# Altium PCB Copy of foxbms2-master.PcbDoc (part 4 of 11) (continued)
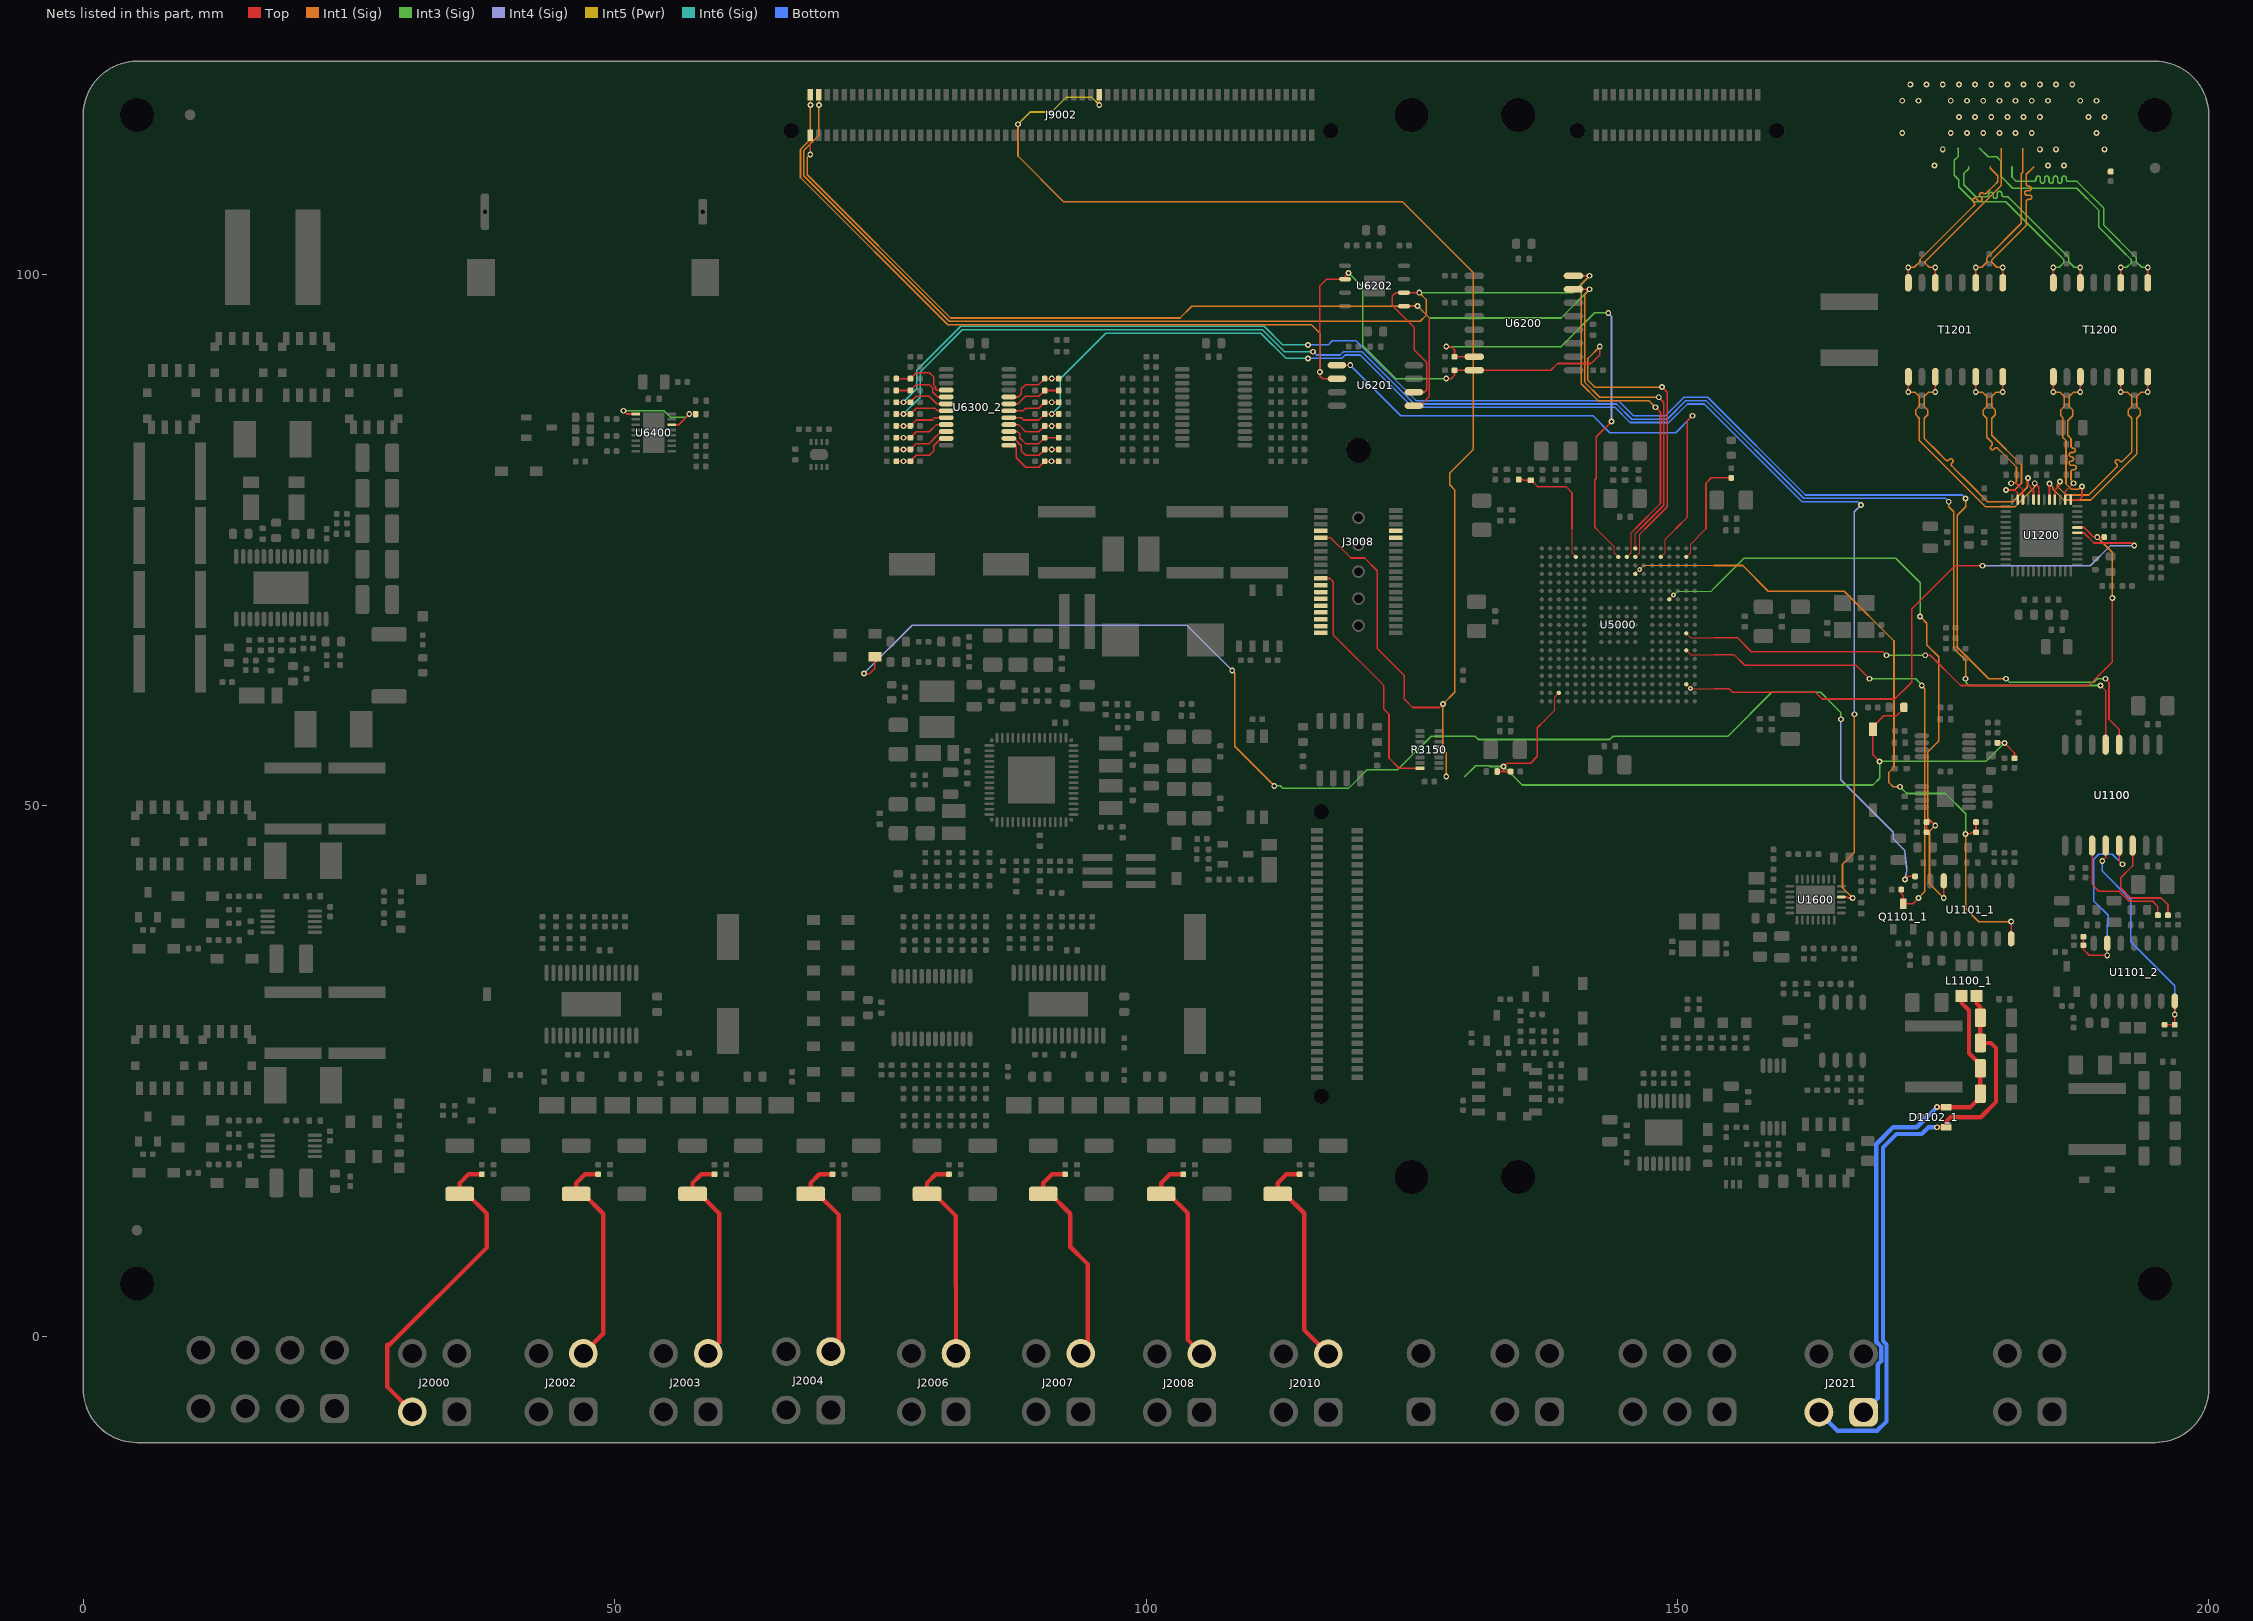
[diagram p10: the nets of this part, all layers, seen from the top]
## Part data (continued)
U7100: "55-V wide VIN synchronous 4-switch buck-boost controller", Manufacturer="Texas Instruments", Operating Temperature="−40°C - +125°C", PnP Package=HTSSOP-28, Supplier Part Number 1=595-LM5176QPWPRQ1, Automotive Qualified=True, ComponentLink1Description=Datasheet, ComponentLink1URL=http://www.ti.com/lit/ds/symlink/lm5176-q1.pdf, Part Name=LM5176QPWPRQ1, Part Number=LM5176QPWPRQ1, Supplier 1=Mouser
U7200: "Fail-safe system basis chip with multiple SMPS and LDO", Manufacturer=NXP, Operating Temperature="−40°C - +125°C", PnP Package=HPQFN-56, Supplier Part Number 1=771-MC33FS8530A0ES, AEC-Q Grade="Grade 1", AEC-Q Norm=AEC-Q100, Automotive Qualified=True, ECCN=EAR99, Part Name=MC33FS8530A0ES, Part Number=MC33FS8530A0ES, Supplier 1=Mouser, Supplier 2=Digikey, Supplier Part Number 2=568-MC33FS8530A0ES-ND
U7300_1 U7300_2: "Low Quiescent Current Surge Stopper", Manufacturer="Analog Devices", Operating Temperature="−40°C - +125°C", Supplier Part Number 1=LTC4380HMS-4#PBF-ND, Automotive Qualified=False, ComponentLink1Description=Datasheet, ComponentLink1URL=https://www.analog.com/media/en/technical-documentation/data-sheets/LTC4380.pdf, Part Name=LTC4380HMS-4#PBF, Part Number=LTC4380HMS-4#PBF, Supplier 1=Digikey
U8000: "1000-mΩ Dual-Channel SmartHigh-Side Power Switch", Manufacturer="Texas Instruments", Operating Temperature="−40°C - +125°C", Supplier Part Number 1=595-TPS2H000BQPWPRQ1, AEC-Q Grade="Grade 1", AEC-Q Norm=AEC-Q100, Automotive Qualified=True, ComponentLink1Description=Datasheet, ComponentLink1URL=http://www.ti.com/lit/ds/symlink/tps2h000-q1.pdf, ECCN=EAR99, Part Name=TPS2H000BQPWPRQ1, Part Number=TPS2H000BQPWPRQ1, Supplier 1=Mouser, Supplier 2=Digikey, Supplier 3=Farnell, Supplier Part Number 2=296-45179-1-ND, Supplier Part Number 3=3124090
U8001: "Automotive, Wide Common-Mode Range, High- and Low-Side, Bidirectional, Zero-Drift, Current-Sense Amplifier With Enhanced PWM Rejection", Current - Input Bias=1nA, Current - Output / Channel=65mA, Current - Supply=2mA, Manufacturer="Texas Instruments", Operating Temperature="−40°C - +125°C", Package / Case="8-TSSOP,8-MSOP(0.118\",3.00mmWidth)", Package Description="8-Pin Mini Small Outline Package, Body 3 x 3 mm, Pitch 0.65 mm", Package Reference=RM-8, Package Version=10/2009, Standard Package=50, Supplier Device Package=8-MSOP, Supplier Part Number 1=595-INA240A1QPWRQ1, Voltage - Input Offset=60µV, Voltage - Supply, Single/Dual (±)=5V~36V,±2.5V~18V, -3db Bandwidth=10MHz, AEC-Q Grade="Grade 1", AEC-Q Norm=AEC-Q100, Amplifier Type=Instrumentation, Automotive Qualified=True, Category=IntegratedCircuits(ICs), ComponentLink1Description=Datasheet, ComponentLink1URL=http://www.ti.com/lit/ds/symlink/ina240-q1.pdf, Datasheet URL=http://www.analog.com/media/en/technical-documentation/data-sheets/AD8421.pdf, Datasheet Version="Rev. 0, 05/2012", ECCN=EAR99, EDA / CAD Models=DownloadfromAcceleratedDesigns, Family=Linear-Amplifiers-Instrumentation,OPAmps,BufferAmps, Featured Product=AD8421InstrumentationAmplifier, Gain Bandwidth Product=-, Manufacturer URL=http://www.analog.com/, Mfg Application Notes=WaterAnalysisSolutionforpH&ConductivityMeters, Mounting Technology=SurfaceMount, Mounting Type=SurfaceMount, Number of Circuits=1, Online Catalog=Instrumentation, Output Type=-, Package URL=http://www.analog.com/static/imported-files/packages/PKG_PDF/MSOP%28RM%29/RM_8.pdf, Packaging=Tube, Part Name=INA240A1QPWRQ1, Part Number=INA240A1QPWRQ1, Product Training Modules=CommonPhotodiodeOp-AmpCircuitProblemsandSolutionsIndirectCurrentFeedbackInstrumentationAmplifierApplicationsGuide, Series=-, Slew Rate=35V/µs, Supplier 1=Mouser, Supplier 2=Digikey, Supplier Part Number 2=296-50472-1-ND
U8002: "Automotive Dual Comparators", Manufacturer="Texas Instruments", Operating Temperature="−40°C - +125°C", Supplier Part Number 1=595-LM2903QDRQ1, AEC-Q Grade="Grade 1", AEC-Q Norm=AEC-Q100, Automotive Qualified=True, ComponentLink1Description=Datasheet, ComponentLink1URL=http://www.ti.com/lit/ds/symlink/lm2903-q1.pdf, ECCN=EAR99, Part Name=LM2903QDRQ1, Part Number=LM2903QDRQ1, Supplier 1=Mouser, Supplier 2=Digikey, Supplier Part Number 2=296-15183-1-ND
Y6100: "Automotive AEC-Q100 Oscillator 20MHz", Manufacturer=SiTime, Operating Temperature="-55°C - +125°C", AEC-Q Grade="Grade 0", AEC-Q Norm=AEC-Q100, Automotive Qualified=True, ComponentLink1Description=Datasheet, ComponentLink1URL=https://www.sitime.com/datasheet/SiT8924, ECCN=EAR99, Part Name=SiT8924BAT31-33N-20.000000, Part Number=SiT8924BAT31-33N-20.000000
Y6101: "Automotive AEC-Q100 Oscillator 25MHz", Manufacturer=SiTime, Operating Temperature="-55°C - +125°C", AEC-Q Grade="Grade 0", AEC-Q Norm=AEC-Q100, Automotive Qualified=True, ComponentLink1Description=Datasheet, ComponentLink1URL=https://www.sitime.com/datasheet/SiT8924, ECCN=EAR99, Part Name=SiT8924BAT31-33N-25.000000, Part Number=SiT8924BAT31-33N-25.000000

## Via types
v1: diameter 0.55, hole 0.3, Top to Bottom, 1559 vias
v2: diameter 0.55, hole 0.3, Top to Bottom, tented both sides, 810 vias
v3: diameter 0.45, hole 0.2, Top to Bottom, tented both sides, 169 vias
v4: diameter 0.45, hole 0.2, Top to Bottom, 25 vias
v5: diameter 0.5, hole 0.2, Top to Bottom, 20 vias
v6: diameter 0.75, hole 0.5, Top to Bottom, tented both sides, 17 vias
v7: diameter 0.75, hole 0.5, Top to Bottom, 9 vias

## Nets (pads, with @x,y where several pads share a name; then routed paths per layer and width w, separated by ;. In a path a pad name is that pad's centre, name@x,y a point inside that pad or via, vN(x,y) a via of type N, cw(c..) or ccw(c..) an arc to the next point about the centre after c; other vN are vias at no path point)
\CAN2.STB_iso_3: R1104_2.1 R1117_2.2 U1100.12 U1101_2.14 | length 22
  Top w0.152: v1(190.024,44.767) 190.341,45.085 U1100.12@190.341,46.209 ; R1104_2.1@195.897,29.342 196.473,29.342 R1117_2.2@196.85,29.343 v1(196.85,30.321) U1101_2.14@196.85,31.565
  Bottom w0.152: v1(190.024,44.767) 190.024,43.815 192.722,41.116 192.722,37.148 196.85,33.02 v1(196.85,30.321)
\DBG_RESET_1: C3000.2 D6601.1 J3008.9 J9002.69 R3004.1 R6601.1 R6603.2 S6600.2 U5000.B17 | length 209.8
  Top w0.102: 137.477,57.944 138.463,58.929 138.463,60.193 U5000.B17@138.863,60.593
  Top w0.152: v1(95.6,115.947) J9002.69@95.6,116.9 ; J3008.9@116.47,75.2 117.373,75.2 119.293,73.28 120.571,73.28 121.761,72.09 121.761,64.77 124.301,62.23 124.301,60.008 125.095,59.214 127.635,59.214 v1(127.953,59.531) ; C3000.2@133.066,53.181 133.667,53.181 ; R3004.1@134.329,53.181 133.667,53.181 ; 137.477,57.944 136.843,57.309 136.843,54.61 136.207,53.975 133.985,53.975 v2(133.667,53.657) 133.667,53.181 ; v2(169.069,54.134) 168.434,54.769 168.434,57.405 169.449,58.42 170.663,58.42 171.356,59.114 D6601.1@171.356,59.214 ; R6603.2@180.155,55.88 v2(180.816,55.88) 181.769,54.927 R6601.1@181.769,54.425
  Int3 (Sig) w0.152: 130.016,52.705 131.049,53.738 132.303,53.738 132.384,53.657 v2(133.667,53.657) 135.414,51.911 168.434,51.911 169.069,52.546 v2(169.069,54.134) 179.07,54.134 v2(180.816,55.88)
  Int1 (Sig) w0.152: v1(87.939,114.12) 87.947,114.112 87.947,111.125 92.234,106.839 124.142,106.839 130.81,100.171 130.81,83.502 128.588,81.28 128.588,80.169 129.064,79.692 129.064,60.642 v1(127.953,59.531) 127.953,55.255 128.27,54.937 v1(128.27,52.705)
  Int5 (Pwr) w0.152: v1(87.939,114.12) 89.096,115.276 91.099,115.276 92.504,116.681 94.866,116.681 v1(95.6,115.947)
\TRST_13: J3008.21 R3150.16 | length 23.4
  Top w0.152: J3008.21@116.47,71.36 117.316,71.36 117.634,71.042 117.634,66.04 122.396,61.277 122.396,59.055 122.872,58.579 122.872,54.451 123.829,53.495 R3150.16@125.783,53.495
A_10_N: T1200.3 U1200.2 | length 15.1
  Top w0.152: U1200.2@186.559,78.781 186.559,79.561 v2(187.325,80.328) ; v2(187.96,88.9) T1200.3@187.96,90.349
  Int1 (Sig) w0.152: v2(187.325,80.328) 187.325,80.37 187.079,80.616 187.079,80.912 187.079,81.394 cw(c187.283,81.394) 187.283,81.598 187.37,81.598 ccw(c187.37,81.801) 187.37,82.004 187.117,82.004 cw(c187.117,82.207) 187.117,82.41 ccw(c187.117,82.614) 187.117,82.817 cw(c187.117,83.02) 187.117,83.223 187.283,83.223 ccw(c187.283,83.426) 187.283,83.63 cw(c187.283,83.833) 187.079,83.833 187.079,84.181 187.079,84.526 186.771,84.834 186.771,86.206 187.244,86.679 187.244,87.225 186.925,87.544 186.925,88.5 187.325,88.9 v2(187.96,88.9)
A_10_P: T1200.1 U1200.1 | length 15.2
  Top w0.152: v2(185.42,88.9) T1200.1@185.42,90.349 ; U1200.1@187.059,78.781 187.842,78.781 188.119,79.057 v2(188.119,80.01)
  Int1 (Sig) w0.152: v2(185.42,88.9) 186.055,88.9 186.455,88.5 186.455,87.544 186.136,87.225 186.136,86.679 186.301,86.514 186.301,84.64 186.609,84.331 186.609,80.259 187.095,79.773 187.823,79.773 188.06,80.01 v2(188.119,80.01)
ADREFHI: C5015.2 FB5002.2 U5000.V15 | length 11.7
  Top w0.102: 140.11,76.041 140.11,73.745 U5000.V15@140.463,73.392
  Top w0.152: FB5002.2@135.096,80.671 135.473,80.671 135.533,80.611 C5015.2@136.207,80.611 136.257,80.611 136.859,80.01 139.541,80.01 140.11,79.441 140.11,76.041
B_10_N: T1200.8 U1200.5 | length 20.7
  Top w0.152: v2(185.059,80.284) U1200.5@185.059,78.781 U1200.5@185.102,78.825 ; v2(194.31,88.9) T1200.8@194.31,90.349
  Int1 (Sig) w0.152: v2(185.059,80.284) v2(185.059,80.284) 185.349,79.996 185.349,79.816 186.418,78.746 188.948,78.746 193.275,83.073 193.275,86.446 193.594,86.765 193.594,87.225 193.275,87.544 193.275,88.5 193.675,88.9 v2(194.31,88.9)
B_10_P: T1200.6 U1200.4 | length 20.3
  Top w0.152: U1200.4@185.559,78.781 185.559,79.673 186.055,80.169 v2(186.055,80.486) ; v2(191.77,88.9) T1200.6@191.77,90.349
  Int1 (Sig) w0.152: v2(186.055,80.486) 186.055,80.435 185.819,80.198 185.819,80.011 186.613,79.216 188.754,79.216 190.782,81.244 191.384,81.847 ccw(c191.24,81.99) 191.384,82.134 191.312,82.206 cw(c191.456,82.349) 191.312,82.493 cw(c191.456,82.349) 191.6,82.493 191.671,82.421 ccw(c191.815,82.565) 191.959,82.421 192.3,82.763 192.805,83.268 192.805,86.446 192.486,86.765 192.486,87.225 192.805,87.544 192.805,88.5 192.405,88.9 v2(191.77,88.9)
BBS: C6403.2 U6400.1 U6400.14 | length 10.5
  Top w0.152: v2(50.8,87.154) 51.114,86.84 U6400.1@51.968,86.84 ; U6400.14@55.348,85.84 55.995,85.84 v2(56.991,86.836) C6403.2@57.592,86.836
  Int3 (Sig) w0.152: v2(50.8,87.154) 54.61,87.154 55.245,86.519 56.674,86.519 v2(56.991,86.836)
C_10_N: T1201.3 U1200.8 | length 23.3
  Top w0.152: v2(174.308,88.9) T1201.3@174.308,90.349 ; v2(183.039,80.804) 183.039,80.169 183.559,79.649 U1200.8@183.559,78.781
  Int1 (Sig) w0.152: v2(174.308,88.9) 173.672,88.9 173.272,88.5 173.272,87.544 173.592,87.225 173.592,86.765 173.272,86.446 173.272,84.538 173.709,84.101 173.832,83.978 174.154,83.656 175.297,82.513 ccw(c175.44,82.657) 175.584,82.513 175.636,82.566 cw(c175.78,82.422) 175.924,82.566 cw(c175.78,82.422) 175.924,82.278 175.871,82.226 ccw(c176.015,82.082) 175.871,81.939 176.213,81.597 177.548,80.262 179.229,78.581 181.61,78.581 182.963,79.934 182.963,80.728 v2(183.039,80.804)
C_10_P: T1201.1 U1200.7 | length 23.4
  Top w0.152: v2(171.767,88.9) T1201.1@171.767,90.349 ; v2(183.674,80.328) 184.059,79.942 U1200.7@184.059,78.781
  Int1 (Sig) w0.152: v2(171.767,88.9) 172.403,88.9 172.803,88.5 172.803,87.544 172.483,87.225 172.483,86.765 172.803,86.446 172.803,84.343 173.376,83.769 173.5,83.645 177.215,79.93 179.034,78.111 181.805,78.111 183.644,79.951 183.644,80.298 v2(183.674,80.328)
CAN1.H_1: D1102_1.1 J2021.2 L1100_1.4 R1110_1.2 R1111_1.2 | length 57.4
  Top w0.406: v1(174.466,19.685) 174.469,19.687 D1102_1.1@175.349,19.687 175.349,20.25 175.736,20.637 178.594,20.637 180.022,22.066 180.022,27.146 179.546,27.622 R1111_1.2@178.548,27.622 R1110_1.2@178.548,30.004 178.548,31.002 178.182,31.368 L1100_1.4@178.182,32.051
  Bottom w0.406: J2021.2@163.354,-7.144 165.1,-8.89 168.831,-8.89 169.717,-8.004 169.717,-0.748 169.386,-0.418 169.386,17.78 170.656,19.05 173.037,19.05 173.672,19.685 v1(174.466,19.685)
CAN1.L_1: D1102_1.2 J2021.1 L1100_1.1 R1112_1.2 R1113_1.2 | length 48
  Top w0.406: v1(174.466,21.59) 174.745,21.59 174.747,21.587 D1102_1.2@175.349,21.587 177.625,21.587 178.548,22.51 R1113_1.2@178.548,22.86 R1112_1.2@178.548,25.241 178.548,25.591 177.482,26.656 177.482,30.7 176.782,31.4 L1100_1.1@176.782,32.051
  Bottom w0.406: J2021.1@167.554,-7.144 168.878,-5.819 168.878,-2.659 169.209,-2.329 169.209,-0.958 168.751,-0.501 168.751,18.098 170.339,19.685 172.561,19.685 v1(174.466,21.59)
CAN2.EN_iso_3: R1103_2.1 R1109_2.2 U1100.13 U1101_2.6 | length 19.6
  Top w0.152: R1103_2.1@188.251,37.624 188.251,37.207 188.251,36.424 188.798,35.877 v1(190.5,35.877) U1101_2.6@190.5,37.015 ; U1100.13@191.611,46.209 191.611,44.767 v1(191.929,44.45)
  Bottom w0.152: v1(190.5,35.877) 190.5,38.706 190.578,38.784 190.578,39.639 189.23,40.987 189.23,44.926 189.706,45.402 190.976,45.402 v1(191.929,44.45)
CAN2.RX_iso_3: R1108_2.1 U1100.11 | length 11.5
  Top w0.152: U1100.11@189.071,46.209 189.071,42.545 189.706,41.91 191.611,41.91 192.564,40.957 194.786,40.957 195.262,40.481 R1108_2.1@195.262,39.661
CAN2.TX_iso_3: R1107_2.1 U1100.14 | length 10.5
  Top w0.152: U1100.14@192.881,46.209 192.881,44.291 191.77,43.18 191.77,42.227 192.722,41.275 195.58,41.275 196.215,40.64 R1107_2.1@196.215,39.661
COM_IO.\ETH_INT_1: R1222.1 U1200.44 U5000.J2 | length 58.3
  Top w0.102: U5000.J2@150.862,66.192 151.262,65.792 153.511,65.792
  Top w0.152: 153.511,65.792 155.651,65.792 156.991,64.453 169.386,64.453 v1(169.704,64.135) ; v1(173.355,64.135) 173.831,64.135 176.689,61.277 188.754,61.277 190.976,63.5 v2(190.976,69.532) ; U1200.44@187.684,76.156 188.321,76.156 189.23,75.248 v2(189.557,75.248) R1222.1@190.209,75.248
  Int3 (Sig) w0.152: v1(169.704,64.135) v1(173.355,64.135)
  Int1 (Sig) w0.152: v2(189.557,75.248) 190.976,73.829 v2(190.976,69.532)
COM_IO.\ETH_RESET_1: U1200.43 U5000.C2 | length 58.6
  Top w0.102: U5000.C2@150.862,61.392 v4(151.263,60.991) 153.511,60.991
  Top w0.152: 153.511,60.991 154.859,60.991 155.188,60.663 163.016,60.663 163.671,60.008 170.494,60.008 172.085,61.598 172.085,68.475 176.159,72.549 v1(178.752,72.549) ; U1200.43@187.684,75.656 188.285,75.656 189.248,74.693 192.801,74.693 v1(193.04,74.454)
  Int4 (Sig) w0.152: v1@178.772,72.568 v1(178.752,72.549) 188.889,72.549 190.794,74.454 v1(193.04,74.454)
COM_IO.CAN1_EN_1: R1103_1.1 R1109_1.2 U1101_1.6 U5000.N4 | length 61.6
  Top w0.102: U5000.N4@149.263,69.393 149.564,69.694 v4(149.66,69.789)
  Top w0.152: R1103_1.1@173.487,47.466 173.487,48.042 R1109_1.2@173.488,48.419 173.99,48.419 v1(174.308,48.101) ; v1(175.101,41.275) U1101_1.6@175.101,42.889
  Int3 (Sig) w0.102: v4(149.66,69.789) 150.04,70.17 153.196,70.17 153.511,70.485
  Int3 (Sig) w0.152: 153.511,70.485 156.289,73.263 170.571,73.263 172.879,70.956 v1(172.879,67.786)
  Int1 (Sig) w0.152: v1(172.879,67.786) 173.514,67.151 173.514,65.087 174.625,63.976 174.625,56.049 173.581,55.005 173.581,48.828 v1(174.308,48.101) 173.762,47.556 173.762,42.614 v1(175.101,41.275)
COM_IO.CAN1_STB_1: R1104_1.1 R1117_1.2 U1101_1.14 U5000.T8 | length 66.9
  Top w0.102: U5000.T8@146.063,71.792 146.364,72.094 146.372,72.094 v4(146.473,72.194)
  Top w0.152: v1(177.165,47.307) 177.608,47.307 177.767,47.466 R1104_1.1@178.144,47.466 178.144,47.843 R1117_1.2@178.144,48.419 ; U1101_1.14@181.451,37.439 v1(181.451,39.052)
  Int3 (Sig) w0.152: v1(170.974,51.752) 171.608,51.118 175.26,51.118 177.165,49.213 v1(177.165,47.307)
  Int1 (Sig) w0.102: v4(146.473,72.194) 146.863,72.584 153.511,72.584
  Int1 (Sig) w0.152: 153.511,72.584 156.175,72.584 158.591,70.168 165.735,70.168 170.423,65.479 170.423,53.573 169.943,53.093 169.943,52.148 170.339,51.752 v1(170.974,51.752) ; v1(177.165,47.307) 177.165,40.286 178.398,39.052 v1@181.451,39.052
COM_IO.CAN_FAULT_1: Q1101_1.D R1114_1.2 U5000.G2 | length 47
  Top w0.102: U5000.G2@150.862,64.592 151.262,64.193 153.511,64.193
  Top w0.152: 153.511,64.193 155.359,64.193 156.369,63.182 166.846,63.182 v1(168.116,61.912) ; R1114_1.2@171.106,42.069 171.106,41.692 171.291,41.507 Q1101_1.D@171.291,40.729 172.174,40.729 v1(172.72,41.275)
  Int3 (Sig) w0.152: v1(168.116,61.912) 172.455,61.912 173.037,61.33 v1(173.037,61.277)
  Int1 (Sig) w0.152: v1(172.72,41.275) 173.327,41.882 173.327,60.988 v1(173.037,61.277)
COM_IO.COM_IO_PE.IO0_0_1: R6302_2.1 R6320_2.2 U6300_2.4 | length 6.2
  Top w0.152: R6320_2.2@76.491,90.17 R6302_2.1@77.814,90.17 78.368,90.724 79.605,90.724 80.01,90.319 80.01,89.567 80.183,89.394 80.183,89.186 80.273,89.096 U6300_2.4@81.188,89.096
COM_IO.COM_IO_PE.IO0_1_1: R6303_2.1 R6321_2.2 U6300_2.5 | length 5.6
  Top w0.152: R6321_2.2@76.491,89.059 R6303_2.1@77.814,89.059 78.368,89.613 79.605,89.613 79.929,89.288 79.929,88.903 80.386,88.446 U6300_2.5@81.188,88.446
COM_IO.COM_IO_PE.IO0_2_1: R6304_2.1 R6322_2.2 U1100.4 U6300_2.6 | length 154.2
  Top w0.152: R6322_2.2@76.491,87.947 v2(77.153,87.947) R6304_2.1@77.814,87.947 78.368,88.502 79.605,88.502 80.31,87.796 U6300_2.6@81.188,87.796 ; v1(190.341,61.912) 190.659,61.595 190.659,58.102 191.611,57.15 U1100.4@191.611,55.709
  Int3 (Sig) w0.152: v1(180.975,61.912) 181.292,61.595 189.23,61.595 189.547,61.912 v1(190.341,61.912)
  Int1 (Sig) w0.152: v1(177.165,78.899) 177.165,78.105 176.371,77.311 176.371,68.744 176.371,68.602 176.371,64.891 179.35,61.912 v1(180.975,61.912)
  Int6 (Sig) w0.152: v2(77.153,87.947) 78.422,89.217 78.422,90.964 82.55,95.091 111.125,95.091 112.871,93.345 v1(115.252,93.345)
  Bottom w0.152: v1(115.252,93.345) 117.148,93.345 117.543,93.741 119.778,93.741 125.412,88.106 144.463,88.106 145.891,86.677 148.907,86.677 150.654,88.424 152.876,88.424 162.084,79.216 176.847,79.216 v1(177.165,78.899)
COM_IO.COM_IO_PE.IO0_3_1: R6305_2.1 R6323_2.2 U1100.5 U6300_2.7 | length 152.9
  Top w0.152: R6323_2.2@76.491,86.836 v2(77.153,86.836) R6305_2.1@77.814,86.836 78.368,87.391 80.142,87.391 80.386,87.146 U6300_2.7@81.188,87.146 ; v1(189.865,61.277) 190.341,60.801 U1100.5@190.341,55.709
  Int3 (Sig) w0.152: v1@177.21,61.868 v1(177.165,61.912) 177.165,61.595 177.482,61.277 v1(189.865,61.277)
  Int1 (Sig) w0.152: v1(175.577,78.581) 175.577,78.105 176.054,77.629 176.054,64.77 177.165,63.659 v1(177.165,61.912)
  Int6 (Sig) w0.152: v2(77.153,86.836) 78.74,88.424 78.74,90.805 82.709,94.774 110.966,94.774 113.03,92.71 v1(115.729,92.71)
  Bottom w0.152: v1(115.729,92.71) 116.046,92.392 118.269,92.392 118.586,92.71 120.332,92.71 125.254,87.789 144.304,87.789 145.732,86.36 149.066,86.36 150.812,88.106 152.718,88.106 161.925,78.899 175.26,78.899 v1(175.577,78.581)
COM_IO.COM_IO_PE.IO0_4_1: R6306_2.1 R6324_2.2 U6300_2.8 | length 5
  Top w0.152: R6324_2.2@76.491,85.725 v2(77.153,85.725) R6306_2.1@77.814,85.725 78.368,86.279 79.894,86.279 80.111,86.496 U6300_2.8@81.188,86.496
COM_IO.COM_IO_PE.IO0_5_1: R6307_2.1 R6325_2.2 U6300_2.9 | length 5.2
  Top w0.152: R6325_2.2@76.491,84.614 v2(77.153,84.614) R6307_2.1@77.814,84.614 78.368,85.168 79.602,85.168 80.28,85.846 U6300_2.9@81.188,85.846
COM_IO.COM_IO_PE.IO0_6_1: R6308_2.1 R6326_2.2 U6300_2.10 | length 5.4
  Top w0.152: R6326_2.2@76.491,83.502 v2(77.153,83.502) R6308_2.1@77.814,83.502 78.368,84.057 79.602,84.057 79.929,84.384 79.929,84.413 80.713,85.196 U6300_2.10@81.188,85.196
COM_IO.COM_IO_PE.IO0_7_1: R6309_2.1 R6327_2.2 U6300_2.11 | length 5.9
  Top w0.152: R6327_2.2@76.491,82.391 v2(77.153,82.391) R6309_2.1@77.814,82.391 78.368,82.946 79.602,82.946 80.01,83.353 80.01,83.844 80.713,84.546 U6300_2.11@81.188,84.546
COM_IO.COM_IO_PE.IO1_0_1: R6310_2.1 R6328_2.2 U6300_2.13 | length 6.3
  Top w0.152: U6300_2.13@87.088,83.896 87.563,83.896 87.793,83.665 87.793,82.714 88.67,81.837 89.907,81.837 R6310_2.1@90.461,82.391 v2(91.109,82.391) R6328_2.2@91.757,82.391
COM_IO.COM_IO_PE.IO1_1_1: R6311_2.1 R6329_2.2 U6300_2.14 | length 6.1
  Top w0.152: U6300_2.14@87.088,84.546 87.563,84.546 88.265,83.844 88.265,83.353 88.67,82.948 89.907,82.948 R6311_2.1@90.461,83.502 v2(91.123,83.502) R6329_2.2@91.784,83.502 R6329_2.2@91.963,83.502
COM_IO.COM_IO_PE.IO1_2_1: R6312_2.1 R6330_2.2 U6300_2.15 | length 5.6
  Top w0.152: U6300_2.15@87.088,85.196 87.889,85.196 88.106,84.979 88.106,84.614 88.661,84.059 89.907,84.059 R6312_2.1@90.461,84.614 R6330_2.2@91.784,84.614
COM_IO.COM_IO_PE.IO1_3_1: R6313_2.1 R6331_2.2 U6300_2.16 | length 5.2
  Top w0.152: U6300_2.16@87.088,85.846 87.985,85.846 88.661,85.171 89.907,85.171 R6313_2.1@90.461,85.725 v2(91.123,85.725) R6331_2.2@91.784,85.725
COM_IO.COM_IO_PE.IO1_4_1: R6314_2.1 R6332_2.2 U1600.26 U6300_2.17 | length 133.5
  Top w0.152: U6300_2.17@87.088,86.496 88.243,86.496 88.458,86.282 89.907,86.282 R6314_2.1@90.461,86.836 v2(91.123,86.836) R6332_2.2@91.784,86.836 ; U1600.26@165.461,41.366 165.988,41.366 166.079,41.275 v2(166.529,41.275)
  Int1 (Sig) w0.152: v2(166.529,41.275) 165.576,42.227 165.576,44.45 166.688,45.561 v1(166.688,58.579)
  Int4 (Sig) w0.152: v1(166.688,58.579) 166.688,77.629 v1(167.322,78.264)
  Int6 (Sig) w0.152: v2(91.123,86.836) 91.916,87.63 91.916,90.17 96.203,94.456 110.807,94.456 113.189,92.075 v1(115.252,92.075)
  Bottom w0.152: v1(115.252,92.075) 118.427,92.075 118.745,92.392 120.174,92.392 125.095,87.471 144.145,87.471 145.574,86.042 149.225,86.042 150.971,87.789 152.559,87.789 161.766,78.581 167.005,78.581 v1(167.322,78.264)
COM_IO.COM_IO_PE.IO1_5_1: R6315_2.1 R6333_2.2 U6300_2.18 | length 5
  Top w0.152: U6300_2.18@87.088,87.146 88.416,87.146 88.663,87.393 89.907,87.393 R6315_2.1@90.461,87.947 v2(91.123,87.947) R6333_2.2@91.784,87.947
COM_IO.COM_IO_PE.IO1_6_1: R6316_2.1 R6334_2.2 U6300_2.19 | length 5.2
  Top w0.152: U6300_2.19@87.088,87.796 87.955,87.796 88.661,88.502 89.904,88.502 R6316_2.1@90.461,89.059 R6334_2.2@91.784,89.059
COM_IO.COM_IO_PE.IO1_7_1: R6317_2.1 R6335_2.2 U6300_2.20 | length 5.7
  Top w0.152: U6300_2.20@87.093,88.451 U6300_2.20@87.088,88.446 87.97,88.446 88.265,88.741 88.265,89.208 88.67,89.613 89.904,89.613 R6317_2.1@90.461,90.17 v2(91.123,90.17) R6335_2.2@91.784,90.17
COM_IO.INH_1: D1100.2 R1101.2 | length 130.6
  Top w0.152: v1(73.434,62.404) 73.989,62.404 74.477,62.893 D1100.2@74.477,63.976 ; v1(171.45,43.021) 171.741,43.313 R1101.2@172.403,43.313
  Int3 (Sig) w0.152: v1(112.077,51.831) 112.634,51.831 112.871,51.594 119.062,51.594 120.809,53.34 123.666,53.34 126.841,56.515 130.969,56.515 131.286,56.197 143.669,56.197 143.986,56.515 154.791,56.515 158.918,60.642 163.512,60.642 164.465,59.69 165.417,58.737 v1(165.417,58.102)
  Int1 (Sig) w0.152: v1(108.119,62.696) 108.348,62.467 108.348,55.559 v1(112.077,51.831)
  Int4 (Sig) w0.152: v1(73.434,62.404) 77.988,66.957 103.858,66.957 v1(108.119,62.696) ; v1@165.417,57.944 165.417,52.397 170.339,47.476 170.339,46.831 171.45,45.72 171.594,44.189 cw(c170.815,43.974) 171.608,43.816 v1(171.45,43.021)
CONT_FB.IO0_0_1: J2000.2 R4202_1.2 R4203_1.2 | length 30.4
  Top w0.406: J2000.2@30.92,-7.105 28.575,-4.76 28.575,-0.794 28.772,-0.794 37.941,8.376 37.941,11.55 36.076,13.415 R4202_1.2@35.401,13.415 35.401,14.446 36.221,15.266 R4203_1.2@37.465,15.266
CONT_FB.IO0_1_1: J2002.3 R4202_2.2 R4203_2.2 | length 20.7
  Top w0.406: J2002.3@47.026,-1.605 48.895,0.264 48.895,11.55 47.03,13.415 R4202_2.2@46.355,13.415 46.355,14.446 47.175,15.266 R4203_2.2@48.419,15.266
CONT_FB.IO0_2_1: J2003.3 R4202_3.2 R4203_3.2 | length 20.3
  Top w0.406: J2003.3@58.774,-1.605 59.81,-0.569 59.81,11.589 57.984,13.415 R4202_3.2@57.309,13.415 57.309,14.446 58.129,15.266 R4203_3.2@59.372,15.266
CONT_FB.IO0_3_1: J2004.3 R4202_4.2 R4203_4.2 | length 20.1
  Top w0.406: J2004.3@70.326,-1.429 71.081,-0.674 71.081,11.43 69.096,13.415 R4202_4.2@68.421,13.415 68.421,14.446 69.241,15.266 R4203_4.2@70.485,15.266
CONT_FB.IO0_4_1: J2006.3 R4202_5.2 R4203_5.2 | length 20
  Top w0.406: R4203_5.2@81.439,15.266 80.195,15.266 79.375,14.446 R4202_5.2@79.375,13.415 80.05,13.415 82.074,11.391 82.074,4.75 82.11,4.713 J2006.3@82.11,-1.605
CONT_FB.IO0_5_1: J2007.3 R4202_6.2 R4203_6.2 | length 20.8
  Top w0.406: R4203_6.2@92.392,15.266 91.149,15.266 90.329,14.446 R4202_6.2@90.329,13.415 91.004,13.415 92.869,11.55 92.869,8.448 94.499,6.818 94.499,-0.964 J2007.3@93.858,-1.605
CONT_FB.IO0_6_1: J2008.3 R4202_7.2 R4203_7.2 | length 20.5
  Top w0.406: R4203_7.2@103.505,15.266 102.261,15.266 101.441,14.446 R4202_7.2@101.441,13.415 102.116,13.415 103.942,11.589 103.942,-0.335 J2008.3@105.251,-1.644
CONT_FB.IO0_7_1: J2010.3 R4202_8.2 R4203_8.2 | length 20.9
  Top w0.406: R4203_8.2@114.459,15.266 113.215,15.266 112.395,14.446 R4202_8.2@112.395,13.415 113.07,13.415 114.896,11.589 114.896,0.618 J2010.3@117.157,-1.644
D_10_N: T1201.8 U1200.11 | length 15.8
  Top w0.152: v2(180.657,88.9) T1201.8@180.657,90.349 ; v2(180.975,79.692) 181.769,79.692 182.059,79.403 U1200.11@182.059,78.781
  Int1 (Sig) w0.152: v2(180.657,88.9) 180.022,88.9 179.622,88.5 179.622,87.544 179.942,87.225 179.942,86.765 179.622,86.446 179.622,84.844 182.425,82.042 182.425,80.326 181.792,79.692 v2(180.975,79.692)
D_10_P: T1201.6 U1200.10 | length 15.6
  Top w0.152: v2(178.118,88.9) T1201.6@178.118,90.349 ; v2(181.451,80.328) 181.927,80.328 182.559,79.696 U1200.10@182.559,78.781
  Int1 (Sig) w0.152: v2(178.118,88.9) 178.752,88.9 179.153,88.5 179.153,87.544 178.833,87.225 178.833,86.765 179.153,86.446 179.153,84.649 179.283,84.519 179.624,84.178 cw(c179.48,84.034) 179.624,83.89 179.552,83.819 ccw(c179.696,83.675) 179.552,83.531 ccw(c179.696,83.675) 179.84,83.531 179.911,83.603 cw(c180.055,83.459) 180.199,83.603 180.875,82.927 181.955,81.847 181.955,80.52 181.81,80.376 181.5,80.376 v2(181.451,80.328)
DBGACK_13: J3008.8
DBGRQ_13: J3008.7
DEBUG_LED_53: R5000.2 U5000.V2 | length 10.3
  Top w0.102: U5000.V2@150.862,73.392 151.262,73.792 151.262,74.586 152.718,76.041
  Top w0.152: 152.718,76.041 152.718,80.328 153.22,80.83 R5000.2@155.099,80.83
ETHERNET.LED_GN_A_1: 
ETHERNET.LED_GN_C_1: 
ETHERNET.LED_YE_A_1: 
ETHERNET.LED_YE_C_1: 
ETHERNET.RX1_1_N: T1200.9 | length 23.5
  Top w0.152: T1200.9@194.31,99.199 v2(194.31,100.647)
  Int3 (Sig) w0.152: 181.53,110.095 181.53,109.15 181.943,108.737 182.71,108.737 183.591,108.737 ccw(c183.591,108.941) 183.794,108.941 183.794,109.042 cw(c183.998,109.042) 184.201,109.042 184.201,108.775 ccw(c184.404,108.775) 184.607,108.775 184.607,109.042 cw(c184.81,109.042) 185.014,109.042 185.014,108.775 ccw(c185.217,108.775) 185.42,108.775 185.42,109.042 cw(c185.623,109.042) 185.826,109.042 185.826,108.775 ccw(c186.03,108.775) 186.233,108.775 186.233,109.042 cw(c186.436,109.042) 186.639,109.042 186.639,108.941 ccw(c186.842,108.941) 186.842,108.737 187.325,108.737 187.65,108.737 190.183,106.205 190.183,104.61 193.212,101.581 193.212,101.187 193.751,100.647 v2(194.31,100.647)
ETHERNET.RX1_1_P: T1200.11 | length 23.3
  Top w0.152: T1200.11@191.77,99.199 v2(191.77,100.647)
  Int3 (Sig) w0.152: 178.47,111.875 179.297,111.048 180.099,111.048 180.499,110.649 180.499,109.219 181.609,108.109 187.614,108.109 189.713,106.01 189.713,104.415 191.575,102.553 191.908,102.22 192.742,101.386 192.742,101.061 192.329,100.647 v2(191.77,100.647)
ETHERNET.RX2_1_N: T1201.9 | length 14.9
  Top w0.152: T1201.9@180.657,99.199 v2(180.657,100.647)
  Int1 (Sig) w0.152: v2(180.657,100.647) 180.099,100.647 179.622,101.124 179.622,101.339 182.878,104.594 182.878,106.362 182.878,106.845 cw(c183.081,106.845) 183.081,107.048 183.183,107.048 ccw(c183.183,107.252) 183.183,107.455 182.916,107.455 cw(c182.916,107.658) 182.916,107.861 183.133,107.861 ccw(c183.133,108.064) 183.133,108.268 183.081,108.268 cw(c183.081,108.471) 182.878,108.471 182.878,109.287 182.878,109.403 183.57,110.095
ETHERNET.RX2_1_P: T1201.11 | length 14.8
  Top w0.152: T1201.11@178.118,99.199 v2(178.118,100.647)
  Int1 (Sig) w0.152: v2(178.118,100.647) 178.676,100.647 179.153,101.124 179.153,101.534 182.408,104.789 182.408,109.465 182.55,109.607 182.55,111.875
ETHERNET.SHIELD_1: R1220.2
  other v1: 174.244,110.236 184.912,110.236 186.436,110.236 175.006,111.76 184.15,111.76 185.674,111.76 190.246,111.76 171.196,113.284 175.768,113.284 177.292,113.284 178.816,113.284 180.34,113.284 181.864,113.284 183.388,113.284 189.484,113.284 176.53,114.808 178.054,114.808 179.578,114.808 181.102,114.808 182.626,114.808 184.15,114.808 188.722,114.808 190.246,114.808 171.196,116.332 172.72,116.332 175.768,116.332 177.292,116.332 178.816,116.332 180.34,116.332 181.864,116.332 183.388,116.332 184.912,116.332 187.96,116.332 189.484,116.332 171.958,117.856 173.482,117.856 175.006,117.856 176.53,117.856 178.054,117.856 179.578,117.856 181.102,117.856 182.626,117.856 184.15,117.856 185.674,117.856 187.198,117.856
ETHERNET.TX1_1_N: T1200.14 | length 19.2
  Top w0.152: T1200.14@187.96,99.199 v2(187.96,100.647)
  Int3 (Sig) w0.152: 177.45,110.095 177.45,109.934 176.999,109.483 176.999,108.433 178.124,107.309 178.749,107.309 179.14,107.309 ccw(c179.14,107.512) 179.343,107.512 ; 179.343,107.513 cw(c179.546,107.513) 179.749,107.513 179.749,107.347 ccw(c179.953,107.347) 180.156,107.347 180.156,107.613 cw(c180.359,107.613) 180.562,107.613 180.562,107.512 ccw(c180.765,107.512) 180.765,107.309 181.134,107.309 181.451,106.991 186.862,101.581 186.862,101.187 187.401,100.647 v2(187.96,100.647)
ETHERNET.TX1_1_P: T1200.16 | length 19.6
  Top w0.152: T1200.16@185.42,99.199 v2(185.42,100.647)
  Int3 (Sig) w0.152: 176.43,111.875 176.461,111.844 176.461,111.086 176.101,110.726 176.101,109.321 176.529,108.893 176.529,108.239 177.929,106.839 180.939,106.839 183.955,103.823 184.288,103.49 186.392,101.386 186.392,101.061 185.979,100.647 v2(185.42,100.647)
ETHERNET.TX2_1_N: T1201.14 | length 16.4
  Top w0.152: T1201.14@174.308,99.199 v2(174.308,100.647)
  Int1 (Sig) w0.152: v2(174.308,100.647) 173.749,100.647 173.336,101.061 173.336,101.187 180.51,108.361 180.51,111.875
ETHERNET.TX2_1_P: T1201.16 | length 16.5
  Top w0.152: T1201.16@171.767,99.199 v2(171.767,100.647)
  Int1 (Sig) w0.152: v2(171.767,100.647) 172.326,100.647 172.866,101.187 172.866,101.382 177.903,106.419 177.957,106.472 ccw(c177.813,106.616) 177.957,106.76 177.886,106.83 cw(c178.03,106.974) 177.886,107.118 cw(c178.03,106.974) 178.173,107.118 178.361,106.93 ccw(c178.504,107.074) 178.648,106.93 ccw(c178.504,107.074) 178.648,107.218 178.531,107.335 cw(c178.675,107.478) 178.531,107.622 cw(c178.675,107.478) 178.819,107.622 ccw(c178.962,107.766) 179.106,107.622 179.834,108.349 180.182,108.698 180.182,109.278 179.49,109.97 179.49,110.095
ETMDATA8_13: J3008.37
ETMDATA9_13: J3008.35
ETMDATA10_13: J3008.33
ETMDATA11_13: J3008.31
ETMDATA12_13: J3008.29
ETMDATA13_13: J3008.27
ETMDATA14_13: J3008.25
ETMDATA15_13: J3008.23
EXTRIG_13: J3008.10
FLASH_SPI.\CS_1: R6200.1 U5000.V10 U6200.7 | length 44.6
  Top w0.102: 142.399,76.041 144.074,74.366 144.074,73.781 U5000.V10@144.463,73.392
  Top w0.152: v1(128.27,93.186) 128.746,93.186 129.037,92.895 R6200.1@129.037,92.234 U6200.7@130.898,92.234 ; 142.399,76.041 142.24,76.2 142.24,80.645 142.399,80.804 142.399,84.694 v1(143.827,86.123)
  Int3 (Sig) w0.152: v1(128.27,93.186) 139.065,93.186 142.24,96.361 v1(143.51,96.361)
  Int4 (Sig) w0.152: v1(143.51,96.361) 143.827,96.044 v1(143.827,86.123)
FLASH_SPI.CLK_1: J9002.3 U5000.V9 U6200.16 U6201.6 U6202.6 | length 141.4
  Top w0.102: U5000.V9@145.263,73.392 145.663,73.792 145.663,75.654 146.05,76.041
  Top w0.152: v1(69.2,115.947) J9002.3@69.2,116.9 ; U6201.6@125.228,88.9 126.206,88.9 126.428,89.122 126.428,91.694 125.254,92.869 125.254,94.99 123.19,97.054 123.19,97.949 123.507,98.266 U6202.6@124.295,98.266 v1(125.73,98.266) ; U6200.16@140.247,99.854 v2(141.764,99.854) ; 146.05,76.041 148.431,78.422 148.431,86.995 v1(147.955,87.471)
  Int3 (Sig) w0.152: v1(125.73,98.266) 140.176,98.266 v2(141.764,99.854)
  Int1 (Sig) w0.152: v1(69.2,115.947) 69.2,113.063 67.786,111.65 67.786,109.268 81.486,95.567 125.812,95.567 126.365,96.12 126.365,97.631 v1(125.73,98.266) ; v2(141.764,99.854) 140.97,99.06 140.97,89.694 142.558,88.106 147.32,88.106 v1(147.955,87.471)
FLASH_SPI.MISO_1: J9002.1 R6201.1 U5000.V8 U6200.8 U6201.2 U6202.2 | length 141.7
  Top w0.102: U5000.V8@146.063,73.392 146.463,73.792 146.463,75.501 147.002,76.041
  Top w0.152: v1(68.4,115.947) J9002.1@68.4,116.9 ; U6201.2@117.978,90.17 116.625,90.17 116.364,90.431 v1(116.364,90.805) 116.364,98.901 116.999,99.536 U6202.2@118.745,99.536 118.745,99.838 119.035,100.128 v1(119.067,100.128) ; v1(128.27,90.17) 128.729,90.17 129.037,90.478 R6201.1@129.037,90.964 U6200.8@130.898,90.964 138.112,90.964 138.748,91.599 141.922,91.599 142.716,92.392 v1(142.716,93.186) ; 147.002,76.041 149.066,78.105 149.066,88.9 v1(148.59,89.376)
  Int3 (Sig) w0.152: v1(119.067,100.128) 120.416,98.78 120.416,93.262 123.507,90.17 v1(128.27,90.17)
  Int1 (Sig) w0.152: v1(68.4,115.947) 68.4,112.691 67.469,111.76 67.469,109.109 81.328,95.25 115.581,95.25 116.364,94.468 v1(116.364,90.805) ; v1(142.716,93.186) 141.605,92.075 141.605,90.011 142.24,89.376 v1(148.59,89.376)
FLASH_SPI.MOSI_1: J9002.2 U5000.W8 U6200.15 U6201.5 U6202.5 | length 130.6
  Top w0.102: U5000.W8@146.063,74.192 146.063,75.578 146.526,76.041
  Top w0.152: v1(68.392,111.284) 68.4,111.291 J9002.2@68.4,113.1 ; U6202.5@124.295,96.996 v1(125.571,96.996) ; U6201.5@125.228,87.63 125.803,87.63 126.682,88.51 126.682,95.885 v1@125.655,96.912 ; U6200.15@140.247,98.584 v2(141.764,98.584) ; 146.526,76.041 148.749,78.264 148.749,87.947 v1(148.273,88.424)
  Int3 (Sig) w0.152: v1(125.571,96.996) 126.682,95.885 139.065,95.885 v2(141.764,98.584)
  Int1 (Sig) w0.152: v1(68.392,111.284) 68.104,110.995 68.104,109.379 81.597,95.885 103.207,95.885 104.318,96.996 v1(125.571,96.996) ; v2(141.764,98.584) 141.287,98.108 141.287,89.852 142.716,88.424 v1(148.273,88.424)
FRAM_SPI.\CS_1: U5000.V5 U6201.1 | length 51.3
  Top w0.102: U5000.V5@148.462,73.392 148.862,73.792 148.862,75.044 149.86,76.041
  Top w0.152: U6201.1@117.978,91.44 v2(119.221,91.44) ; 149.86,76.041 150.971,77.153 150.971,86.201 v1(151.447,86.677)
  Bottom w0.152: v2(119.221,91.44) 123.984,86.677 142.081,86.677 143.669,85.09 149.86,85.09 v1(151.447,86.677)